# KiCad board FD.02-01-2021.kicad_pcb (continued)
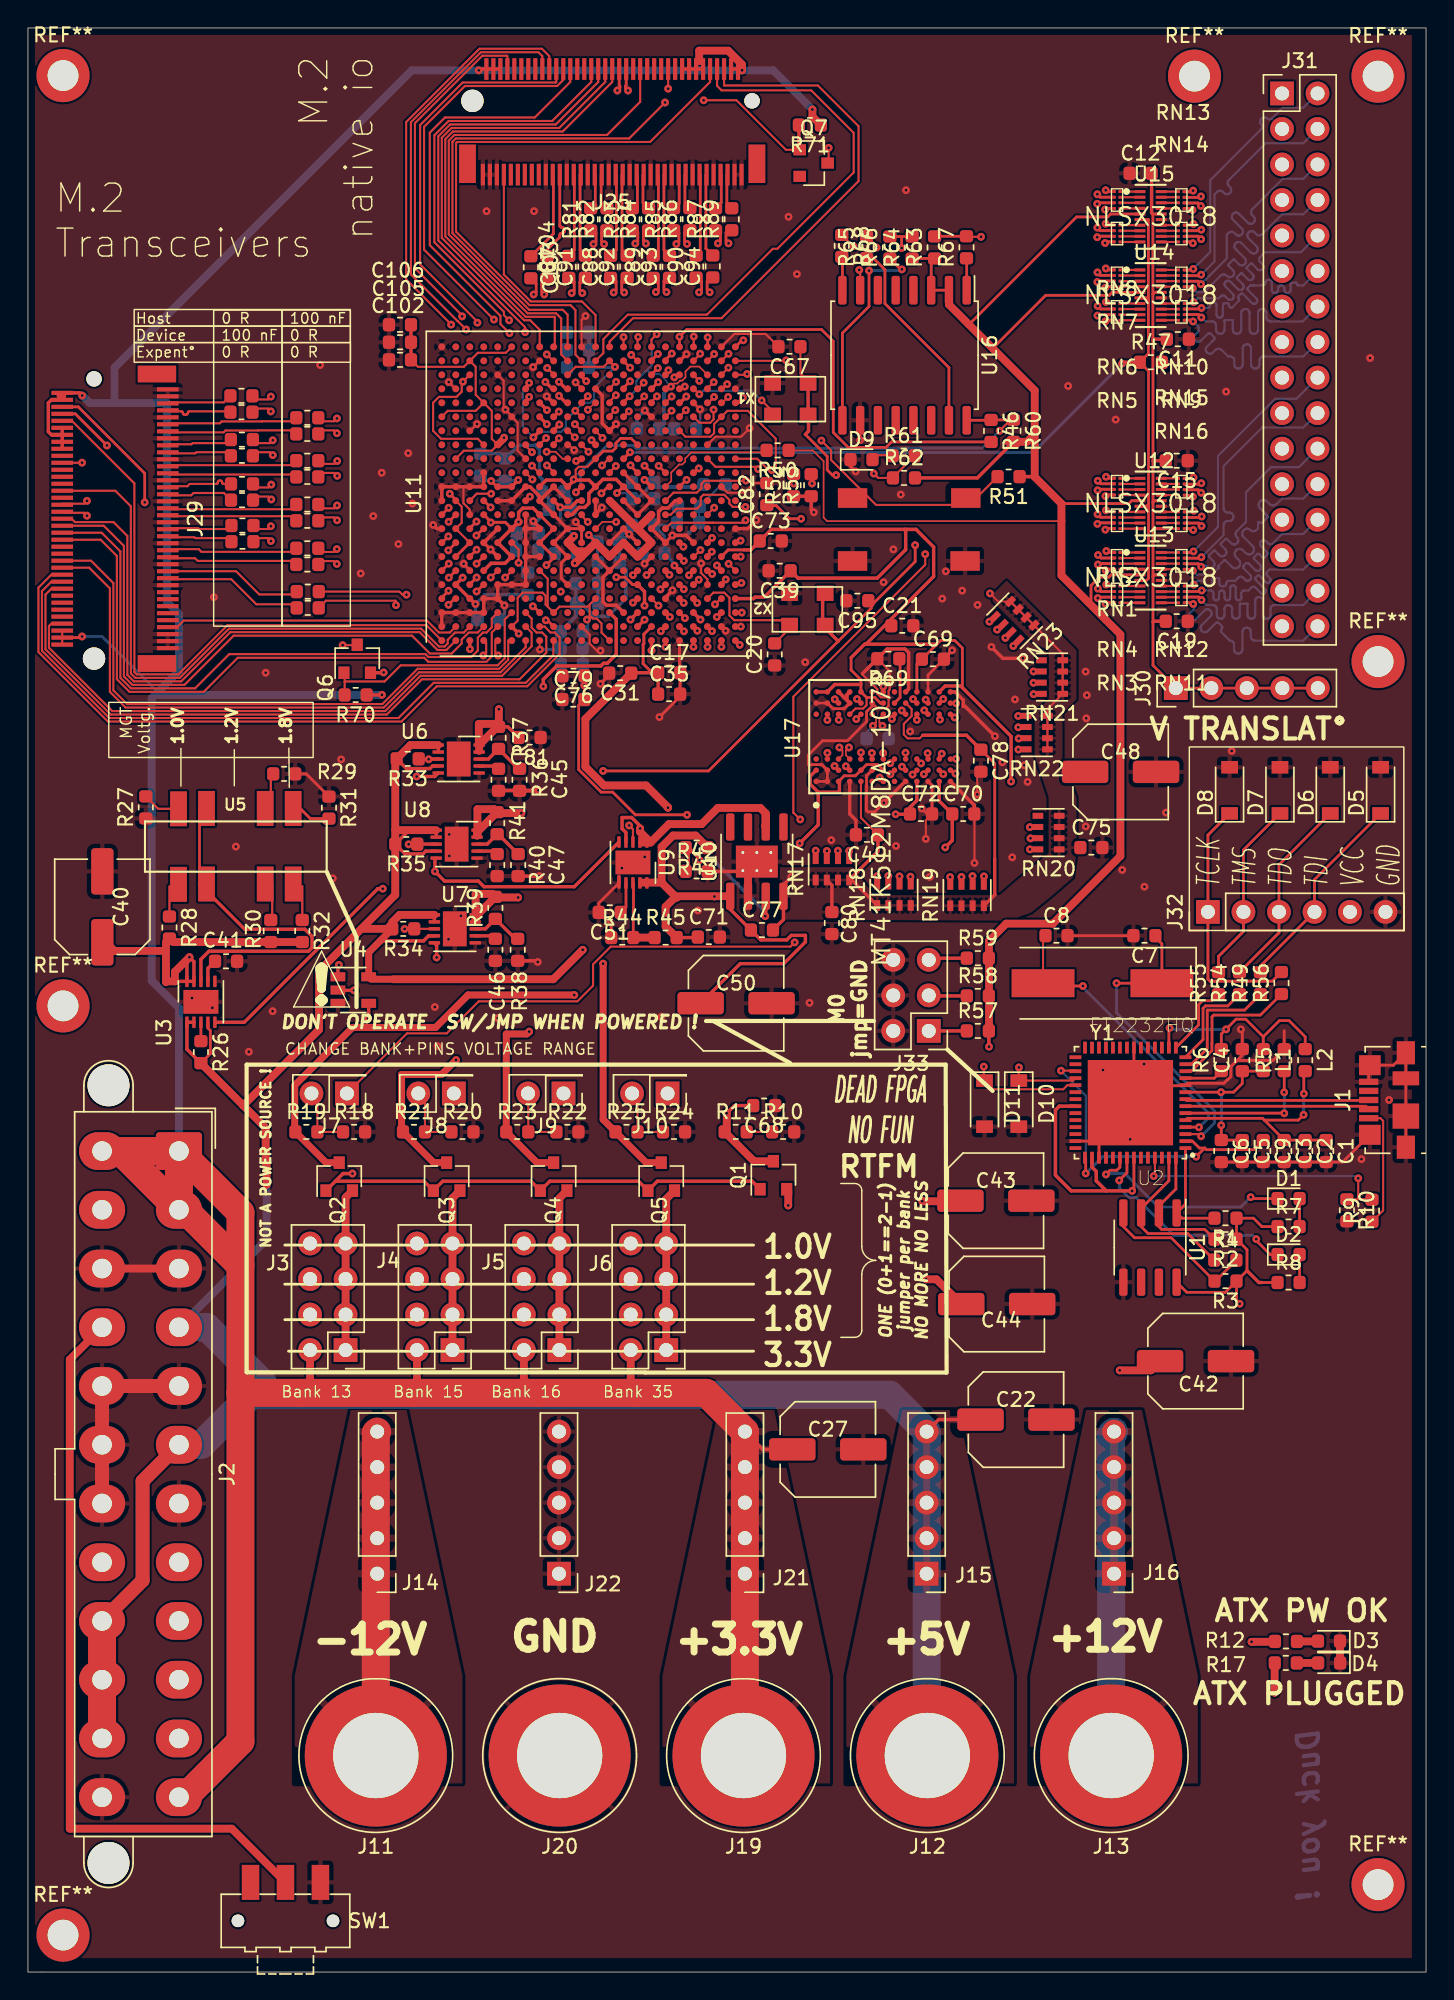
[diagram p0: board, top side]
## Routing (per net, layer and track width the routed paths; a pad name or vN(x,y) marks a point on that pad's centre or on a via; arc(x,y) is an arc through that point) (continued)
DDR_A4: length 48.4
  Top w0.15: 64.38,90.81 v1(64.21,90.98)
  In2.Cu_SigDDR w0.15: v1(69.91,95.39) 68.25,95.39 68.2,95.35 68.14,95.32 68.07,95.3 68,95.3 67.94,95.32 67.88,95.35 67.83,95.39 67.77,95.45 67.72,95.49 67.66,95.52 67.59,95.53 67.52,95.53 67.46,95.52 67.4,95.49 67.35,95.45 67.3,95.39 67.28,95.33 67.26,95.27 67.26,95.2 67.28,95.13 67.3,95.07 67.35,95.02 68.09,94.27 68.13,94.22 68.16,94.16 68.18,94.1 68.18,94.03 68.16,93.96 68.13,93.9 68.09,93.85 68.04,93.81 67.98,93.78 67.91,93.76 67.85,93.76 67.78,93.78 67.72,93.81 67.67,93.85 67.4,94.12 67.35,94.16 67.29,94.19 67.22,94.2 67.16,94.2 67.09,94.19 67.03,94.16 66.98,94.12 64.21,91.35 v1(64.21,90.98)
  In4.Cu_SigDDR w0.15: v1(64.21,90.98) 64.21,91.37 61.66,93.92 61.61,93.9 61.42,93.99 61.28,94.13 60.26,94.13 60.22,94.13 60.18,94.15 60.15,94.17 60.12,94.2 60.1,94.23 60.09,94.27 60.09,94.31 60.09,94.6 60.08,94.64 60.07,94.67 60.05,94.71 60.02,94.73 59.99,94.75 59.95,94.77 59.91,94.77 59.87,94.77 59.83,94.75 59.8,94.73 59.77,94.71 59.75,94.67 59.74,94.64 59.74,94.6 59.74,93.56 59.73,93.52 59.72,93.49 59.7,93.45 59.67,93.43 59.64,93.41 59.6,93.39 59.56,93.39 59.52,93.39 59.48,93.41 59.45,93.43 59.42,93.45 59.4,93.49 59.39,93.52 59.38,93.56 59.38,94.4 59.38,94.44 59.37,94.47 59.35,94.51 59.32,94.53 59.29,94.55 59.25,94.57 59.21,94.57 59.17,94.57 59.13,94.55 59.1,94.53 59.07,94.51 59.05,94.47 59.04,94.44 59.03,94.4 59.03,93.66 59.03,93.62 59.02,93.59 59,93.55 58.97,93.53 58.94,93.51 58.9,93.49 58.86,93.49 58.82,93.49 58.78,93.51 58.75,93.53 58.72,93.55 58.7,93.59 58.69,93.62 58.69,93.66 58.69,94.3 58.68,94.34 58.67,94.37 58.65,94.41 58.62,94.43 58.59,94.45 58.55,94.47 58.51,94.47 58.51,94.47 58.47,94.47 58.43,94.45 58.4,94.43 58.37,94.41 58.35,94.37 58.34,94.34 58.34,94.3 58.34,93.71 58.33,93.67 58.32,93.64 58.3,93.6 58.27,93.58 58.24,93.56 58.2,93.54 58.16,93.54 58.12,93.54 58.08,93.56 58.05,93.58 58.02,93.6 58,93.64 57.99,93.67 57.99,93.71 57.99,94.4 57.98,94.44 57.97,94.47 57.95,94.51 57.92,94.53 57.89,94.55 57.85,94.57 57.81,94.57 57.77,94.57 57.73,94.55 57.7,94.53 57.67,94.51 57.65,94.47 57.64,94.44 57.63,94.4 57.63,93.56 57.63,93.52 57.62,93.49 57.6,93.45 57.57,93.43 57.54,93.41 57.5,93.39 57.46,93.39 57.42,93.39 57.38,93.41 57.35,93.43 57.32,93.45 57.3,93.49 57.29,93.52 57.28,93.56 57.28,94.35 57.28,94.39 57.27,94.42 57.25,94.46 57.22,94.48 57.19,94.5 57.15,94.52 57.11,94.52 57.07,94.52 57.03,94.5 57,94.48 56.97,94.46 56.95,94.42 56.94,94.39 56.94,94.35 56.94,93.56 56.93,93.52 56.92,93.49 56.9,93.45 56.87,93.43 56.84,93.41 56.8,93.39 56.76,93.39 56.72,93.39 56.68,93.41 56.65,93.43 56.62,93.45 56.6,93.49 56.59,93.52 56.59,93.56 56.59,94.3 56.58,94.34 56.57,94.37 56.55,94.41 56.52,94.43 56.49,94.45 56.45,94.47 56.41,94.47 56.41,94.47 56.37,94.47 56.33,94.45 56.3,94.43 56.27,94.41 56.25,94.37 56.24,94.34 56.24,94.3 56.24,94.06 56.23,94.04 56.23,94.03 56.22,94.02 56.21,94 56.19,94 56.18,93.99 56.16,93.99 55.96,93.99 55.94,93.99 55.93,94 55.91,94 55.9,94.02 55.89,94.03 55.89,94.04 55.88,94.06 55.88,94.4 55.88,94.44 55.87,94.47 55.85,94.51 55.82,94.53 55.79,94.55 55.75,94.57 55.71,94.57 55.67,94.57 55.63,94.55 55.6,94.53 55.57,94.51 55.55,94.47 55.54,94.44 55.53,94.4 55.53,94.31 55.53,94.27 55.52,94.23 55.5,94.2 55.47,94.17 55.44,94.15 55.4,94.13 55.36,94.13 55.01,94.13 54.86,94.28 54.84,94.31 54.82,94.34 54.81,94.38 54.81,94.42 54.82,94.46 54.84,94.49 54.86,94.53 55.14,94.8 55.16,94.83 55.18,94.87 55.19,94.91 55.19,94.95 55.18,94.98 55.16,95.02 55.14,95.05 55.11,95.07 55.07,95.09 55.03,95.1 55,95.1 54.96,95.09 54.92,95.07 54.89,95.05 54.39,94.55 54.36,94.53 54.33,94.51 54.3,94.5 54.27,94.5 54.24,94.51 54.21,94.53 54.18,94.55 54.14,94.59 54.12,94.61 54.11,94.64 54.1,94.67 54.1,94.71 54.11,94.74 54.12,94.77 54.14,94.79 54.54,95.19 54.56,95.22 54.58,95.26 54.59,95.3 54.59,95.33 54.58,95.37 54.56,95.41 54.54,95.44 54.51,95.46 54.47,95.48 54.43,95.49 54.39,95.49 54.36,95.48 54.32,95.46 54.29,95.44 53.89,95.04 53.87,95.02 53.84,95.01 53.81,95 53.77,95 53.74,95.01 53.71,95.02 53.69,95.04 53.65,95.08 53.62,95.11 53.61,95.14 53.6,95.17 53.6,95.2 53.61,95.23 53.62,95.26 53.65,95.29 53.82,95.46 53.83,95.48 53.84,95.5 53.84,95.52 53.84,95.54 53.84,95.56 53.83,95.58 53.82,95.59 53.7,95.71 53.69,95.72 53.67,95.73 53.65,95.73 53.63,95.73 53.6,95.73 53.59,95.72 53.57,95.71 53.4,95.54 53.37,95.52 53.34,95.5 53.31,95.49 53.28,95.49 53.25,95.5 53.22,95.52 53.19,95.54 53.15,95.58 53.13,95.6 53.12,95.63 53.11,95.66 53.11,95.7 53.12,95.73 53.13,95.76 53.15,95.78 53.36,95.99 53.38,96.02 53.39,96.04 53.4,96.08 53.4,96.11 53.39,96.14 53.38,96.17 53.36,96.2 53.32,96.24 53.29,96.26 53.26,96.27 53.23,96.28 53.2,96.28 53.16,96.27 53.13,96.26 53.11,96.24 52.9,96.03 52.88,96.01 52.85,96 52.82,95.99 52.78,95.99 52.75,96 52.72,96.01 52.7,96.03 52.66,96.07 52.63,96.1 52.62,96.13 52.61,96.16 52.61,96.19 52.62,96.22 52.63,96.25 52.66,96.28 52.84,96.47 52.86,96.49 52.87,96.51 52.88,96.54 52.88,96.57 52.87,96.59 52.86,96.62 52.84,96.64 52.77,96.71 52.75,96.73 52.72,96.74 52.7,96.75 52.67,96.75 52.64,96.74 52.62,96.73 52.6,96.71 52.51,96.63 52.51,96.63 52.42,96.55 52.4,96.53 52.38,96.52 52.35,96.51 52.32,96.51 52.3,96.52 52.27,96.53 52.25,96.55 52.17,96.62 52.16,96.64 52.15,96.67 52.14,96.7 52.14,96.72 52.15,96.75 52.16,96.77 52.19,96.82 52.2,96.84 52.21,96.87 52.21,96.89 52.2,96.92 52.19,96.94 52.18,96.97 52,97.14 52,97.62 51.03,98.59 47.19,98.59 v1(46.91,98.87)
DDR_A5: length 47.8
  Top w0.15: 64.36,85.93 v1(64.08,85.64) ; 49.6,100.25 v1(49.28,100.57)
  In2.Cu_SigDDR w0.15: v1(65.96,78.29) 65,79.25 65,81.31 65.01,81.37 65.02,81.42 65.05,81.47 65.09,81.51 65.14,81.54 65.19,81.55 65.25,81.56 65.45,81.56 65.5,81.57 65.56,81.58 65.61,81.61 65.64,81.65 65.67,81.7 65.69,81.75 65.7,81.81 65.69,81.87 65.67,81.92 65.64,81.97 65.61,82.01 65.56,82.04 65.5,82.05 65.45,82.06 64.55,82.06 64.5,82.07 64.44,82.08 64.39,82.11 64.36,82.15 64.33,82.2 64.31,82.25 64.3,82.31 64.31,82.37 64.33,82.42 64.36,82.47 64.39,82.51 64.44,82.54 64.5,82.55 64.55,82.56 64.75,82.56 64.81,82.57 64.86,82.58 64.91,82.61 64.95,82.65 64.98,82.7 64.99,82.75 65,82.81 64.08,83.73 v1(64.08,85.64)
  In4.Cu_SigDDR w0.15: v1(49.28,100.57) 50.36,101.65 52.12,101.65 52.31,101.46 59.85,101.46 63.79,97.52 63.83,97.47 63.86,97.41 63.88,97.34 63.88,97.27 63.86,97.21 63.83,97.15 63.79,97.1 63.73,97.03 63.68,96.98 63.65,96.92 63.64,96.85 63.64,96.79 63.65,96.72 63.68,96.66 63.73,96.61 63.78,96.57 63.84,96.54 63.9,96.52 63.97,96.52 64.04,96.54 64.1,96.57 64.15,96.61 64.21,96.67 64.27,96.71 64.33,96.74 64.39,96.76 64.46,96.76 64.52,96.74 64.59,96.71 64.64,96.67 64.68,96.62 64.71,96.56 64.72,96.49 64.72,96.43 64.71,96.36 64.68,96.3 64.64,96.25 64.57,96.18 64.53,96.13 64.5,96.07 64.49,96.01 64.49,95.94 64.5,95.87 64.53,95.81 64.57,95.76 64.63,95.72 64.69,95.69 64.75,95.67 64.82,95.67 64.89,95.69 64.95,95.72 65,95.76 65.06,95.82 65.11,95.87 65.18,95.89 65.24,95.91 65.31,95.91 65.37,95.89 65.43,95.87 65.49,95.82 65.53,95.77 65.56,95.71 65.57,95.64 65.57,95.58 65.56,95.51 65.53,95.45 65.49,95.4 65.42,95.34 65.38,95.28 65.35,95.22 65.34,95.16 65.34,95.09 65.35,95.02 65.38,94.96 65.42,94.91 65.48,94.87 65.54,94.84 65.6,94.82 65.67,94.82 65.73,94.84 65.79,94.87 65.85,94.91 65.91,94.97 65.96,95.02 66.02,95.05 66.09,95.06 66.16,95.06 66.22,95.05 66.28,95.02 66.34,94.97 66.97,94.34 67.01,94.29 67.04,94.23 67.06,94.16 67.06,94.09 67.04,94.03 67.01,93.97 66.97,93.91 66.91,93.85 66.87,93.8 66.84,93.74 66.82,93.67 66.82,93.6 66.84,93.54 66.87,93.48 66.91,93.43 66.96,93.38 67.02,93.35 67.09,93.34 67.15,93.34 67.22,93.35 67.28,93.38 67.33,93.43 67.4,93.49 67.45,93.53 67.51,93.56 67.57,93.58 67.64,93.58 67.71,93.56 67.77,93.53 67.82,93.49 68.19,93.12 68.19,89.02 66.82,87.65 64.8,87.65 64.8,86.37 v1(64.08,85.64)
DDR_A6: length 40.7
  Top w0.15: U17.M8 v1(65.47,91.02)
  In2.Cu_SigDDR w0.15: v1(71.92,92.99) 71.39,92.46 71.1,92.46 71.03,92.47 70.97,92.49 70.91,92.53 70.87,92.57 70.83,92.63 70.81,92.69 70.8,92.76 70.8,93.14 70.79,93.21 70.77,93.27 70.73,93.33 70.69,93.37 70.63,93.41 70.57,93.43 70.5,93.44 70.43,93.43 70.37,93.41 70.31,93.37 70.27,93.33 70.23,93.27 70.21,93.21 70.2,93.14 70.2,92.4 70.2,92.38 70.19,92.37 70.19,92.36 70.18,92.35 70.16,92.34 70.15,92.33 70.14,92.33 69.66,92.33 69.65,92.33 69.64,92.34 69.62,92.35 69.61,92.36 69.61,92.37 69.6,92.38 69.6,92.4 69.6,92.84 69.59,92.91 69.57,92.97 69.53,93.03 69.49,93.07 69.43,93.11 69.37,93.13 69.3,93.14 69.23,93.13 69.17,93.11 69.11,93.07 69.07,93.03 69.03,92.97 69.01,92.91 69,92.84 69,92.4 69,92.38 68.99,92.37 68.99,92.36 68.98,92.35 68.96,92.34 68.95,92.33 68.94,92.33 68.46,92.33 68.45,92.33 68.44,92.34 68.42,92.35 68.41,92.36 68.41,92.37 68.4,92.38 68.4,92.41 68.39,92.42 68.39,92.44 68.38,92.45 68.36,92.45 68.35,92.46 68.34,92.46 66.91,92.46 v1(65.47,91.02)
  In4.Cu_SigDDR w0.15: v1(65.47,91.02) 65.04,91.44 65.03,91.46 65.02,91.48 65.02,91.5 65.02,91.53 65.02,91.55 65.03,91.57 65.06,91.6 65.07,91.62 65.07,91.65 65.07,91.67 65.07,91.69 65.06,91.71 65.04,91.73 64.94,91.83 64.92,91.85 64.9,91.86 64.88,91.86 64.86,91.86 64.84,91.86 64.81,91.85 64.78,91.82 64.76,91.81 64.74,91.8 64.72,91.8 64.69,91.81 64.67,91.82 64.66,91.83 64.55,91.94 64.54,91.96 64.53,91.98 64.52,92 64.52,92.02 64.53,92.04 64.54,92.06 64.56,92.1 64.57,92.12 64.58,92.14 64.58,92.16 64.57,92.18 64.56,92.2 64.55,92.22 64.44,92.33 64.43,92.34 64.41,92.35 64.38,92.36 64.36,92.36 64.34,92.35 64.32,92.34 64.29,92.31 64.27,92.3 64.24,92.3 64.22,92.3 64.2,92.3 64.18,92.31 64.16,92.33 64.06,92.43 64.04,92.45 64.03,92.47 64.03,92.49 64.03,92.52 64.03,92.54 64.04,92.56 64.07,92.59 64.08,92.61 64.08,92.63 64.08,92.66 64.08,92.68 64.07,92.7 64.06,92.72 63.95,92.82 63.93,92.84 63.91,92.85 63.89,92.85 63.87,92.85 63.85,92.85 63.82,92.84 63.79,92.81 63.77,92.8 63.75,92.79 63.73,92.79 63.7,92.8 63.68,92.81 63.67,92.82 63.56,92.93 63.55,92.95 63.54,92.97 63.53,92.99 63.53,93.01 63.54,93.03 63.55,93.05 63.57,93.09 63.58,93.11 63.59,93.13 63.59,93.15 63.58,93.17 63.57,93.19 63.56,93.21 63.45,93.32 63.44,93.33 63.42,93.34 63.39,93.35 63.37,93.35 63.35,93.34 63.33,93.33 63.3,93.3 63.28,93.29 63.25,93.29 63.23,93.29 63.21,93.29 63.19,93.3 63.17,93.32 61.23,95.26 61.21,95.27 61.2,95.28 61.18,95.28 61.17,95.28 61.15,95.28 61.13,95.27 61.11,95.25 61.09,95.25 61.08,95.24 61.06,95.24 61.04,95.25 61.03,95.25 61.02,95.26 60.87,95.41 60.86,95.42 60.86,95.43 60.85,95.45 60.85,95.47 60.86,95.48 60.86,95.5 60.88,95.52 60.89,95.54 60.9,95.56 60.9,95.57 60.89,95.59 60.88,95.6 60.87,95.62 60.13,96.36 60.12,96.37 60.11,96.37 60.1,96.37 60.09,96.37 60.08,96.37 60.07,96.37 60.05,96.35 60.04,96.35 60.03,96.35 60.02,96.35 60.01,96.35 60,96.35 59.99,96.36 59.81,96.54 59.81,96.54 59.8,96.55 59.8,96.57 59.8,96.58 59.8,96.59 59.81,96.6 59.82,96.62 59.82,96.63 59.83,96.64 59.83,96.65 59.82,96.66 59.82,96.67 59.81,96.68 59.29,97.2 59.24,97.2 59.2,97.2 59.16,97.18 59.13,97.16 59.1,97.13 59.08,97.1 59.07,97.06 59.06,97.03 59.06,96.43 59.06,96.39 59.05,96.35 59.03,96.32 59,96.29 58.97,96.27 58.93,96.26 58.89,96.25 58.85,96.26 58.81,96.27 58.78,96.29 58.75,96.32 58.73,96.35 58.72,96.39 58.72,96.43 58.72,97.03 58.71,97.06 58.7,97.1 58.68,97.13 58.65,97.16 58.62,97.18 58.58,97.2 58.54,97.2 58.5,97.2 58.46,97.18 58.43,97.16 58.4,97.13 58.38,97.1 58.37,97.06 58.37,97.03 58.37,96.38 58.36,96.34 58.35,96.3 58.33,96.27 58.3,96.24 58.27,96.22 58.23,96.21 58.19,96.2 58.15,96.21 58.11,96.22 58.08,96.24 58.05,96.27 58.03,96.3 58.02,96.34 58.01,96.38 58.01,97.03 58.01,97.06 58,97.1 57.98,97.13 57.95,97.16 57.92,97.18 57.88,97.2 57.84,97.2 57.8,97.2 57.76,97.18 57.73,97.16 57.7,97.13 57.68,97.1 57.67,97.06 57.66,97.03 57.66,96.38 57.66,96.34 57.65,96.3 57.63,96.27 57.6,96.24 57.57,96.22 57.53,96.21 57.49,96.2 57.45,96.21 57.41,96.22 57.38,96.24 57.35,96.27 57.33,96.3 57.32,96.34 57.31,96.38 57.31,97.03 57.31,97.06 57.3,97.1 57.28,97.13 57.25,97.16 57.22,97.18 57.18,97.2 57.14,97.2 57.1,97.2 57.06,97.18 57.03,97.16 57,97.13 56.98,97.1 56.97,97.06 56.97,97.03 56.97,96.38 56.96,96.34 56.95,96.3 56.93,96.27 56.9,96.24 56.87,96.22 56.83,96.21 56.79,96.2 56.75,96.21 56.71,96.22 56.68,96.24 56.65,96.27 56.63,96.3 56.62,96.34 56.62,96.38 56.62,97.03 56.61,97.06 56.6,97.1 56.58,97.13 56.55,97.16 56.52,97.18 56.48,97.2 56.44,97.2 56.4,97.2 56.36,97.18 56.33,97.16 56.3,97.13 56.28,97.1 56.27,97.06 56.26,97.03 56.26,96.38 56.26,96.34 56.25,96.3 56.23,96.27 56.2,96.24 56.17,96.22 56.13,96.21 56.09,96.2 56.05,96.21 56.01,96.22 55.98,96.24 55.95,96.27 55.93,96.3 55.92,96.34 55.91,96.38 55.91,97.03 55.91,97.06 55.9,97.1 55.88,97.13 55.85,97.16 55.82,97.18 55.78,97.2 55.74,97.2 55.7,97.2 55.66,97.18 55.63,97.16 55.6,97.13 55.58,97.1 55.57,97.06 55.56,97.03 55.56,96.38 55.56,96.34 55.55,96.3 55.53,96.27 55.5,96.24 55.47,96.22 55.43,96.21 55.39,96.2 55.35,96.21 55.31,96.22 55.28,96.24 55.25,96.27 55.23,96.3 55.22,96.34 55.22,96.38 55.22,97.03 55.21,97.06 55.2,97.1 55.18,97.13 55.15,97.16 55.12,97.18 55.08,97.2 55.04,97.2 55,97.2 54.96,97.18 54.93,97.16 54.9,97.13 54.88,97.1 54.87,97.06 54.87,97.03 54.87,96.93 54.86,96.89 54.85,96.85 54.83,96.82 54.8,96.79 54.77,96.77 54.73,96.76 54.69,96.75 54.65,96.76 54.61,96.77 54.58,96.79 54.55,96.82 54.53,96.85 54.52,96.89 54.51,96.93 54.51,97.03 54.51,97.06 54.5,97.1 54.48,97.13 54.45,97.16 54.42,97.18 54.38,97.2 54.34,97.2 53.81,97.2 53.77,97.24 53.76,97.25 53.74,97.26 53.71,97.26 53.69,97.26 53.67,97.26 53.65,97.25 53.62,97.22 53.6,97.21 53.57,97.21 53.55,97.21 53.53,97.21 53.51,97.22 53.49,97.24 53.39,97.34 53.37,97.36 53.36,97.38 53.36,97.4 53.36,97.42 53.36,97.45 53.37,97.47 53.4,97.5 53.41,97.52 53.41,97.54 53.41,97.56 53.41,97.59 53.4,97.61 53.39,97.62 51.69,99.32 v1(51.03,99.32)
DDR_A7: length 49.5
  Top w0.15: 65.19,85.93 v1(65.47,85.65) ; U11.V8 46.88,101.92 v1(46.88,101.91)
  In2.Cu_SigDDR w0.15: v1(65.47,85.65) 65.47,84.92 68.4,81.99 68.4,80.74 68.39,80.67 68.37,80.61 68.33,80.55 68.29,80.51 68.23,80.47 68.17,80.45 68.1,80.44 68.07,80.44 68,80.43 67.94,80.41 67.88,80.37 67.83,80.33 67.8,80.27 67.78,80.21 67.77,80.14 67.78,80.07 67.8,80.01 67.83,79.95 67.88,79.91 67.94,79.87 68,79.85 68.07,79.84 68.73,79.84 68.8,79.83 68.86,79.81 68.92,79.77 68.97,79.73 69,79.67 69.02,79.61 69.03,79.54 69.02,79.47 69,79.41 68.97,79.35 68.92,79.31 68.86,79.27 68.8,79.25 68.73,79.24 68.7,79.24 68.63,79.23 68.57,79.21 68.51,79.17 68.47,79.13 68.43,79.07 68.41,79.01 68.4,78.94 68.4,78.36 v1(68.38,78.34)
  In4.Cu_SigDDR w0.15: 46.89,101.9 v1(46.88,101.91) 47.17,102.2 48.5,102.2 48.64,102.06 49.47,102.06 50.21,102.8 60.15,102.8 70.1,92.85 70.1,87.71 68.69,86.3 66.12,86.3 v1(65.47,85.65)
DDR_A8: length 41
  Top w0.15: U17.N8 66.37,90.73 v1(66.39,90.71) ; 49.6,99.26 v1(49.91,99.57)
  In2.Cu_SigDDR w0.15: v1(71.92,92.18) 71.18,91.44 70.94,91.44 70.88,91.45 70.82,91.47 70.77,91.5 70.72,91.54 70.69,91.6 70.67,91.65 70.66,91.72 70.66,91.83 70.66,91.89 70.64,91.94 70.61,92 70.56,92.04 70.51,92.07 70.45,92.09 70.39,92.1 70.33,92.09 70.27,92.07 70.22,92.04 70.17,92 70.14,91.94 70.12,91.89 70.12,91.83 70.12,91.21 70.11,91.16 70.09,91.11 70.06,91.07 70.03,91.03 69.98,91 69.94,90.99 69.88,90.98 69.8,90.98 69.74,90.99 69.7,91 69.65,91.03 69.62,91.07 69.59,91.11 69.57,91.16 69.56,91.21 69.56,91.83 69.56,91.89 69.54,91.94 69.51,92 69.46,92.04 69.41,92.07 69.35,92.09 69.29,92.1 69.23,92.09 69.17,92.07 69.12,92.04 69.07,92 69.04,91.94 69.02,91.89 69.01,91.83 69.01,91.28 69.01,91.25 69,91.22 68.98,91.19 68.96,91.16 68.93,91.14 68.89,91.13 68.86,91.13 68.62,91.13 68.59,91.13 68.55,91.14 68.52,91.16 68.5,91.19 68.48,91.22 68.47,91.25 68.47,91.28 68.47,91.83 68.46,91.89 68.44,91.94 68.41,92 68.36,92.04 68.31,92.07 68.25,92.09 68.19,92.1 68.13,92.09 68.07,92.07 68.02,92.04 67.97,92 67.94,91.94 67.92,91.89 67.91,91.83 67.91,91.72 67.91,91.65 67.89,91.6 67.86,91.54 67.81,91.5 67.76,91.47 67.7,91.45 67.64,91.44 67.12,91.44 v1(66.39,90.71)
  In4.Cu_SigDDR w0.15: v1(66.39,90.71) 66.39,91.51 65,92.9 64.98,92.92 64.95,92.93 64.92,92.94 64.89,92.94 64.87,92.93 64.84,92.92 64.8,92.88 64.77,92.87 64.75,92.86 64.72,92.86 64.69,92.87 64.67,92.88 64.64,92.9 64.5,93.04 64.48,93.06 64.47,93.09 64.47,93.12 64.47,93.14 64.47,93.17 64.48,93.2 64.52,93.24 64.53,93.26 64.54,93.29 64.54,93.32 64.53,93.35 64.52,93.37 64.5,93.39 64.44,93.39 63.56,94.27 63.55,94.28 63.53,94.29 63.5,94.29 63.48,94.29 63.46,94.29 63.44,94.28 63.41,94.25 63.39,94.24 63.36,94.24 63.34,94.24 63.32,94.24 63.3,94.25 63.28,94.27 63.1,94.44 63.09,94.46 63.08,94.48 63.08,94.5 63.08,94.52 63.08,94.55 63.09,94.57 63.12,94.6 63.13,94.62 63.13,94.64 63.13,94.67 63.13,94.69 63.12,94.71 63.1,94.73 62.93,94.9 62.91,94.92 62.89,94.93 62.87,94.93 62.85,94.93 62.82,94.93 62.8,94.92 62.77,94.89 62.75,94.88 62.73,94.87 62.7,94.87 62.68,94.88 62.66,94.89 62.65,94.9 62.47,95.08 62.45,95.1 62.44,95.12 62.44,95.14 62.44,95.16 62.44,95.18 62.45,95.2 62.48,95.24 62.49,95.26 62.5,95.28 62.5,95.3 62.49,95.32 62.48,95.34 62.47,95.36 62.29,95.54 62.27,95.55 62.25,95.56 62.23,95.57 62.21,95.57 62.19,95.56 62.17,95.55 62.13,95.52 62.11,95.51 62.09,95.51 62.07,95.51 62.05,95.51 62.03,95.52 62.01,95.54 61.83,95.72 61.82,95.73 61.81,95.75 61.8,95.77 61.8,95.8 61.81,95.82 61.82,95.84 61.85,95.87 61.86,95.89 61.86,95.92 61.86,95.94 61.86,95.96 61.85,95.98 61.83,96 61.66,96.17 61.64,96.19 61.62,96.2 61.6,96.2 61.57,96.2 61.55,96.2 61.53,96.19 61.5,96.16 61.48,96.15 61.45,96.15 61.43,96.15 61.41,96.15 61.39,96.16 61.37,96.17 61.2,96.35 61.18,96.37 61.17,96.39 61.17,96.41 61.17,96.43 61.17,96.46 61.18,96.48 61.21,96.51 61.22,96.53 61.22,96.55 61.22,96.57 61.22,96.6 61.21,96.62 61.2,96.63 61.02,96.81 61,96.83 60.98,96.83 60.96,96.84 60.94,96.84 60.92,96.83 60.89,96.83 60.86,96.8 60.84,96.79 60.82,96.78 60.8,96.78 60.77,96.79 60.75,96.8 60.74,96.81 60.56,96.99 60.55,97.01 60.54,97.03 60.53,97.05 60.53,97.07 60.54,97.09 60.55,97.11 60.57,97.15 60.58,97.17 60.59,97.19 60.59,97.21 60.58,97.23 60.57,97.25 60.56,97.27 60.38,97.45 60.36,97.46 60.34,97.47 60.32,97.48 60.3,97.48 60.28,97.47 60.26,97.46 60.22,97.43 60.2,97.42 60.18,97.42 60.16,97.42 60.14,97.42 60.12,97.43 60.1,97.45 59.92,97.62 59.91,97.64 59.9,97.66 59.89,97.68 59.89,97.71 59.9,97.73 59.91,97.75 59.94,97.78 59.95,97.8 59.95,97.83 59.95,97.85 59.95,97.87 59.94,97.89 59.92,97.91 59.78,98.05 59.76,98.07 59.73,98.08 59.71,98.08 59.68,98.08 59.65,98.08 59.63,98.07 59.58,98.03 59.56,98.02 59.53,98.01 59.5,98.01 59.47,98.02 59.45,98.03 59.43,98.05 59.29,98.19 59.27,98.21 59.26,98.24 59.25,98.26 59.25,98.29 59.26,98.32 59.27,98.34 59.3,98.39 59.32,98.41 59.32,98.44 59.32,98.47 59.32,98.5 59.3,98.52 59.29,98.54 59.25,98.58 59.2,98.6 59.15,98.61 59.1,98.61 59.05,98.6 59.01,98.58 58.93,98.51 58.88,98.49 58.83,98.48 58.78,98.48 58.73,98.49 58.69,98.51 58.65,98.54 58.62,98.58 58.6,98.63 58.59,98.68 58.59,98.73 58.6,98.78 58.62,98.82 58.68,98.9 58.7,98.95 58.71,99 58.71,99.05 58.7,99.1 58.68,99.14 58.65,99.18 57.97,99.18 57.96,99.18 57.95,99.18 57.94,99.19 57.94,99.2 57.93,99.21 57.93,99.22 57.92,99.24 57.92,99.25 57.91,99.26 57.91,99.27 57.9,99.28 57.89,99.28 57.88,99.28 57.53,99.28 57.51,99.28 57.5,99.28 57.49,99.27 57.49,99.26 57.48,99.25 57.48,99.24 57.47,99.23 57.47,98.91 57.47,98.85 57.45,98.81 57.43,98.76 57.39,98.73 57.35,98.7 57.3,98.69 57.25,98.68 57.2,98.69 57.15,98.7 57.11,98.73 57.07,98.76 57.05,98.81 57.03,98.85 57.03,98.91 57.03,98.95 57.02,99.01 57,99.05 56.98,99.1 56.94,99.13 56.9,99.16 56.85,99.17 56.8,99.18 56.75,99.17 56.7,99.16 56.66,99.13 56.62,99.1 56.6,99.05 56.58,99.01 56.57,98.95 56.57,98.91 56.57,98.85 56.55,98.81 56.53,98.76 56.49,98.73 56.45,98.7 56.4,98.69 56.35,98.68 56.3,98.69 56.25,98.7 56.21,98.73 56.17,98.76 56.15,98.81 56.13,98.85 56.12,98.91 56.12,99.38 56.12,99.42 56.11,99.47 56.08,99.5 56.05,99.54 56.01,99.56 55.97,99.57 55.93,99.58 55.88,99.58 55.83,99.57 55.79,99.56 55.75,99.54 55.72,99.5 55.69,99.47 55.68,99.42 55.68,99.38 55.68,98.85 55.67,98.8 55.65,98.76 55.63,98.71 55.59,98.68 55.55,98.65 55.5,98.64 55.45,98.63 55.4,98.64 55.35,98.65 55.31,98.68 55.27,98.71 55.25,98.76 55.23,98.8 55.22,98.85 55.22,99.38 55.22,99.42 55.21,99.47 55.18,99.5 55.15,99.54 55.11,99.56 55.07,99.57 55.03,99.58 54.97,99.58 54.93,99.57 54.89,99.56 54.85,99.54 54.82,99.5 54.79,99.47 54.78,99.42 54.78,99.38 54.78,98.85 54.77,98.8 54.75,98.76 54.73,98.71 54.69,98.68 54.65,98.65 54.6,98.64 54.55,98.63 54.5,98.64 54.45,98.65 54.41,98.68 54.37,98.71 54.35,98.76 54.33,98.8 54.32,98.85 54.32,99.38 54.32,99.42 54.31,99.47 54.28,99.5 54.25,99.54 54.21,99.56 54.17,99.57 54.12,99.58 54.07,99.58 54.03,99.57 53.99,99.56 53.95,99.54 53.92,99.5 53.89,99.47 53.88,99.42 53.88,99.38 53.88,98.7 53.87,98.65 53.85,98.61 53.83,98.56 53.79,98.53 53.75,98.5 53.7,98.49 53.65,98.48 53.6,98.49 53.55,98.5 53.51,98.53 53.47,98.56 53.45,98.61 53.43,98.65 53.43,98.7 53.43,98.95 53.42,99.01 53.4,99.05 53.38,99.1 53.34,99.13 53.3,99.16 53.25,99.17 53.2,99.18 52.91,99.18 52.28,99.81 51.55,99.81 51.35,100.02 50.36,100.02 v1(49.91,99.57)
DDR_A9: length 49.3
  Top w0.15: U17.M3 65.18,86.93 v1(65.36,87.11) ; U11.Y7 48.6,101.24 v1(48.91,101.55)
  In2.Cu_SigDDR w0.15: 66.48,86.29 66.47,86.3 66.17,86.3 v1(65.36,87.11) ; 66.48,86.29 66.48,86.3 ; 66.48,86.29 70.12,82.65 70.15,82.61 70.17,82.57 70.18,82.53 70.18,82.48 70.17,82.44 70.15,82.4 70.12,82.37 69.99,82.24 69.96,82.2 69.94,82.16 69.93,82.12 69.93,82.07 69.94,82.03 69.96,81.99 69.99,81.95 70.03,81.92 70.07,81.9 70.11,81.9 70.15,81.9 70.2,81.9 70.24,81.92 70.27,81.95 70.55,82.22 70.55,82.22 70.69,82.35 70.72,82.38 70.76,82.4 70.8,82.41 70.84,82.41 70.89,82.4 70.93,82.38 70.96,82.35 70.97,82.34 71,82.31 71.02,82.27 71.03,82.23 71.03,82.19 71.02,82.14 71,82.11 70.94,82.04 70.92,82 70.91,81.96 70.91,81.91 70.92,81.87 70.94,81.83 70.97,81.8 v1(71.71,81.06)
  In4.Cu_SigDDR w0.15: v1(48.91,101.55) 49.36,101.55 49.71,101.9 59.81,101.9 67.69,94.02 67.71,94 67.73,93.99 67.75,93.99 67.77,93.99 67.8,93.99 67.82,94 67.85,94.03 67.87,94.04 67.89,94.05 67.91,94.05 67.94,94.04 67.96,94.03 67.97,94.02 68.22,93.77 68.24,93.75 68.25,93.73 68.25,93.71 68.25,93.69 68.25,93.67 68.24,93.65 68.21,93.61 68.2,93.59 68.19,93.57 68.19,93.55 68.2,93.53 68.21,93.51 68.22,93.49 68.24,93.47 68.26,93.46 68.28,93.46 68.3,93.46 68.33,93.46 68.35,93.47 68.38,93.5 68.4,93.51 68.42,93.52 68.44,93.52 68.47,93.51 68.49,93.5 68.5,93.49 68.75,93.24 68.77,93.22 68.78,93.2 68.78,93.18 68.78,93.16 68.78,93.14 68.77,93.12 68.75,93.1 68.68,93.03 68.52,92.87 68.49,92.83 68.47,92.78 68.46,92.74 68.46,92.69 68.47,92.64 68.49,92.59 68.52,92.55 68.6,92.48 68.63,92.45 68.68,92.43 68.73,92.42 68.78,92.42 68.83,92.43 68.87,92.45 68.95,92.51 69,92.53 69.05,92.54 69.1,92.54 69.15,92.53 69.19,92.51 69.23,92.48 69.23,91.67 69.22,91.61 69.2,91.56 69.17,91.5 69.13,91.46 69.07,91.43 69.02,91.41 68.96,91.4 68.76,91.4 68.7,91.39 68.64,91.37 68.58,91.34 68.54,91.3 68.51,91.24 68.49,91.19 68.48,91.12 68.49,91.06 68.51,91.01 68.54,90.95 68.58,90.91 68.64,90.88 68.7,90.86 68.76,90.85 69.28,90.85 69.29,90.85 69.3,90.85 69.31,90.84 69.32,90.83 69.33,90.82 69.33,90.81 69.33,90.8 69.33,90.35 69.33,90.34 69.33,90.33 69.32,90.32 69.31,90.31 69.3,90.3 69.29,90.3 69.28,90.3 68.76,90.3 68.7,90.29 68.64,90.27 68.58,90.24 68.54,90.2 68.51,90.14 68.49,90.09 68.48,90.03 68.49,89.96 68.51,89.91 68.54,89.85 68.58,89.81 68.64,89.78 68.7,89.76 68.76,89.75 69.28,89.75 69.29,89.75 69.3,89.75 69.31,89.74 69.32,89.73 69.33,89.72 69.33,89.71 69.33,89.7 69.33,89.25 69.33,89.24 69.33,89.23 69.32,89.22 69.31,89.21 69.3,89.2 69.29,89.2 69.27,89.2 69.26,89.2 69.25,89.19 69.24,89.18 69.23,89.17 69.23,89.16 69.23,89.15 68.63,88.55 68.6,88.53 68.56,88.51 68.53,88.5 68.49,88.5 68.45,88.51 68.41,88.53 68.35,88.57 68.32,88.59 68.28,88.6 68.24,88.6 68.2,88.59 68.17,88.57 68.14,88.55 68,88.41 67.97,88.38 67.95,88.34 67.95,88.3 67.95,88.27 67.95,88.23 67.97,88.19 68,88.16 68.56,87.6 68.6,87.55 68.62,87.49 68.64,87.43 68.64,87.37 68.62,87.31 68.6,87.26 68.56,87.21 68.51,87.17 68.46,87.14 68.4,87.13 68.33,87.13 68.27,87.14 68.22,87.17 68.17,87.21 67.92,87.45 67.88,87.49 67.82,87.52 67.76,87.53 67.7,87.53 67.64,87.52 67.58,87.49 67.53,87.45 67.38,87.3 65.55,87.3 v1(65.36,87.11)
DDR_A10: length 39.7
  Top w0.15: U11.AA1 v1(49.6,94.75) ; U17.H7 61.98,89.78 v1(61.79,89.59)
  In2.Cu_SigDDR w0.15: v1(70.84,87.41) 70.65,87.6 62.94,87.6 61.79,88.75 v1(61.79,89.59)
  In4.Cu_SigDDR w0.15: v1(49.6,94.75) 49.23,94.38 49.21,94.37 49.19,94.36 49.16,94.35 49.13,94.35 49.11,94.36 49.08,94.37 49.04,94.4 49.01,94.41 48.99,94.42 48.96,94.42 48.93,94.41 48.91,94.4 48.89,94.38 48.71,94.21 48.69,94.18 48.68,94.16 48.67,94.13 48.67,94.1 48.68,94.08 48.69,94.05 48.71,94.03 48.79,93.94 48.79,93.94 48.86,93.87 48.88,93.86 48.89,93.84 48.89,93.82 48.89,93.79 48.89,93.77 48.88,93.75 48.86,93.73 48.65,93.52 48.63,93.51 48.61,93.5 48.59,93.49 48.57,93.49 48.55,93.5 48.53,93.51 48.49,93.53 48.47,93.54 48.45,93.55 48.43,93.55 48.41,93.54 48.39,93.53 48.37,93.52 48.37,92.18 48.68,91.87 48.72,91.83 48.77,91.81 48.83,91.8 48.88,91.8 48.94,91.81 48.99,91.83 49.03,91.87 49.14,91.97 49.18,92.01 49.23,92.03 49.29,92.04 49.34,92.04 49.4,92.03 49.45,92.01 49.49,91.97 49.53,91.93 49.55,91.88 49.56,91.82 49.56,91.77 49.55,91.71 49.53,91.66 49.49,91.62 48.82,90.95 48.79,90.91 48.77,90.86 48.75,90.8 48.75,90.75 48.77,90.69 48.79,90.64 48.82,90.6 48.87,90.56 48.92,90.54 48.97,90.53 49.03,90.53 49.08,90.54 49.13,90.56 49.18,90.6 49.63,91.05 49.65,91.07 49.67,91.08 49.69,91.08 49.71,91.08 49.73,91.08 49.75,91.07 49.77,91.05 49.99,90.84 50,90.82 50.01,90.8 50.01,90.78 50.01,90.76 50.01,90.74 50,90.72 49.99,90.7 49.53,90.24 49.5,90.2 49.47,90.15 49.46,90.1 49.46,90.04 49.47,89.99 49.5,89.94 49.53,89.89 49.58,89.86 49.63,89.83 49.68,89.82 49.74,89.82 49.79,89.83 49.84,89.86 49.88,89.89 50.36,90.36 50.38,90.38 50.4,90.39 50.43,90.4 50.46,90.4 50.49,90.39 50.51,90.38 50.53,90.36 50.71,90.18 50.73,90.16 50.74,90.14 50.75,90.11 50.75,90.08 50.74,90.06 50.73,90.03 50.71,90.01 50.24,89.54 50.2,89.49 50.18,89.44 50.17,89.39 50.17,89.33 50.18,89.28 50.2,89.23 50.24,89.18 50.28,89.15 50.33,89.13 50.39,89.11 50.44,89.11 50.5,89.13 50.55,89.15 50.59,89.18 51.26,89.85 51.3,89.89 51.35,89.91 51.41,89.92 51.46,89.92 51.52,89.91 51.57,89.89 51.61,89.85 51.65,89.81 51.67,89.76 51.68,89.7 51.68,89.65 51.67,89.59 51.65,89.54 51.61,89.5 51.51,89.39 51.47,89.35 51.45,89.3 51.44,89.24 51.44,89.19 51.45,89.13 51.47,89.08 51.51,89.04 52.32,89.04 52.35,89.04 52.38,89.03 52.4,89.01 52.42,88.99 52.43,88.97 52.44,88.94 52.45,88.89 52.46,88.86 52.47,88.84 52.49,88.82 52.51,88.81 52.54,88.8 52.57,88.79 52.82,88.79 52.85,88.8 52.88,88.81 52.9,88.82 52.92,88.84 52.93,88.86 52.94,88.89 52.94,88.92 52.94,89.09 52.95,89.1 52.95,89.11 52.96,89.12 52.96,89.13 52.97,89.14 52.98,89.14 53,89.14 53.4,89.14 53.41,89.14 53.42,89.14 53.43,89.13 53.43,89.12 53.44,89.11 53.44,89.1 53.45,89.08 53.45,89.07 53.46,89.06 53.46,89.05 53.47,89.04 53.48,89.04 53.52,89.04 53.55,89.03 53.57,89.01 53.59,88.99 53.61,88.97 53.62,88.94 53.62,88.89 53.63,88.86 53.65,88.84 53.67,88.82 53.69,88.81 53.72,88.8 53.74,88.79 54,88.79 54.02,88.8 54.05,88.81 54.07,88.82 54.09,88.84 54.11,88.86 54.12,88.89 54.12,88.92 54.12,89.09 54.12,89.1 54.12,89.11 54.13,89.12 54.14,89.13 54.15,89.14 54.16,89.14 54.17,89.14 54.57,89.14 54.58,89.14 54.59,89.14 54.6,89.13 54.61,89.12 54.62,89.11 54.62,89.1 54.62,89.08 54.62,89.07 54.63,89.06 54.64,89.05 54.65,89.04 54.66,89.04 54.7,89.04 54.74,89.03 54.76,89.01 54.79,88.98 54.81,88.96 54.82,88.92 54.82,88.86 54.83,88.83 54.85,88.8 54.88,88.78 54.9,88.76 54.94,88.75 54.97,88.74 55.17,88.74 55.2,88.75 55.24,88.76 55.26,88.78 55.29,88.8 55.31,88.83 55.32,88.86 55.32,88.89 55.32,89.09 55.32,89.1 55.32,89.11 55.33,89.12 55.34,89.13 55.35,89.14 55.36,89.14 55.37,89.14 55.77,89.14 55.78,89.14 55.79,89.14 55.8,89.13 55.81,89.12 55.82,89.11 55.82,89.1 55.82,89.08 55.82,89.07 55.83,89.06 55.84,89.05 55.85,89.04 55.86,89.04 55.87,89.04 56.12,89.04 56.15,89.04 56.18,89.03 56.2,89.01 56.22,88.99 56.23,88.97 56.24,88.94 56.25,88.89 56.26,88.86 56.27,88.84 56.29,88.82 56.32,88.81 56.34,88.8 56.37,88.79 56.62,88.79 56.65,88.8 56.68,88.81 56.7,88.82 56.72,88.84 56.73,88.86 56.74,88.89 56.75,88.94 56.76,88.97 56.77,88.99 56.79,89.01 56.82,89.03 56.84,89.04 56.87,89.04 57.12,89.04 57.15,89.04 57.18,89.03 57.2,89.01 57.22,88.99 57.23,88.97 57.24,88.94 57.25,88.89 57.26,88.86 57.27,88.84 57.29,88.82 57.32,88.81 57.34,88.8 57.37,88.79 57.62,88.79 57.65,88.8 57.68,88.81 57.7,88.82 57.72,88.84 57.73,88.86 57.74,88.89 57.75,88.94 57.76,88.97 57.77,88.99 57.79,89.01 57.82,89.03 57.84,89.04 57.87,89.04 57.9,89.04 57.93,89.03 57.95,89.01 57.97,88.99 57.98,88.97 57.99,88.94 58,88.89 58.01,88.86 58.02,88.84 58.04,88.82 58.06,88.81 58.09,88.8 58.12,88.79 58.37,88.79 58.4,88.8 58.43,88.81 58.45,88.82 58.47,88.84 58.48,88.86 58.49,88.89 58.5,88.92 58.5,89.14 58.5,89.16 58.5,89.18 58.52,89.2 58.53,89.21 58.55,89.23 58.57,89.23 58.59,89.24 58.9,89.24 58.92,89.23 58.94,89.23 58.96,89.21 58.97,89.2 58.99,89.18 58.99,89.16 59,89.14 59,89.04 59,88.92 59,88.89 59.01,88.86 59.02,88.84 59.04,88.82 59.07,88.81 59.09,88.8 59.12,88.79 59.37,88.79 59.4,88.8 59.43,88.81 59.45,88.82 59.47,88.84 59.48,88.86 59.49,88.89 59.5,88.94 59.51,88.97 59.52,88.99 59.54,89.01 59.57,89.03 59.59,89.04 59.62,89.04 60.17,89.59 v1(61.79,89.59)